# KiCad board Bread70.kicad_pcb (continued)
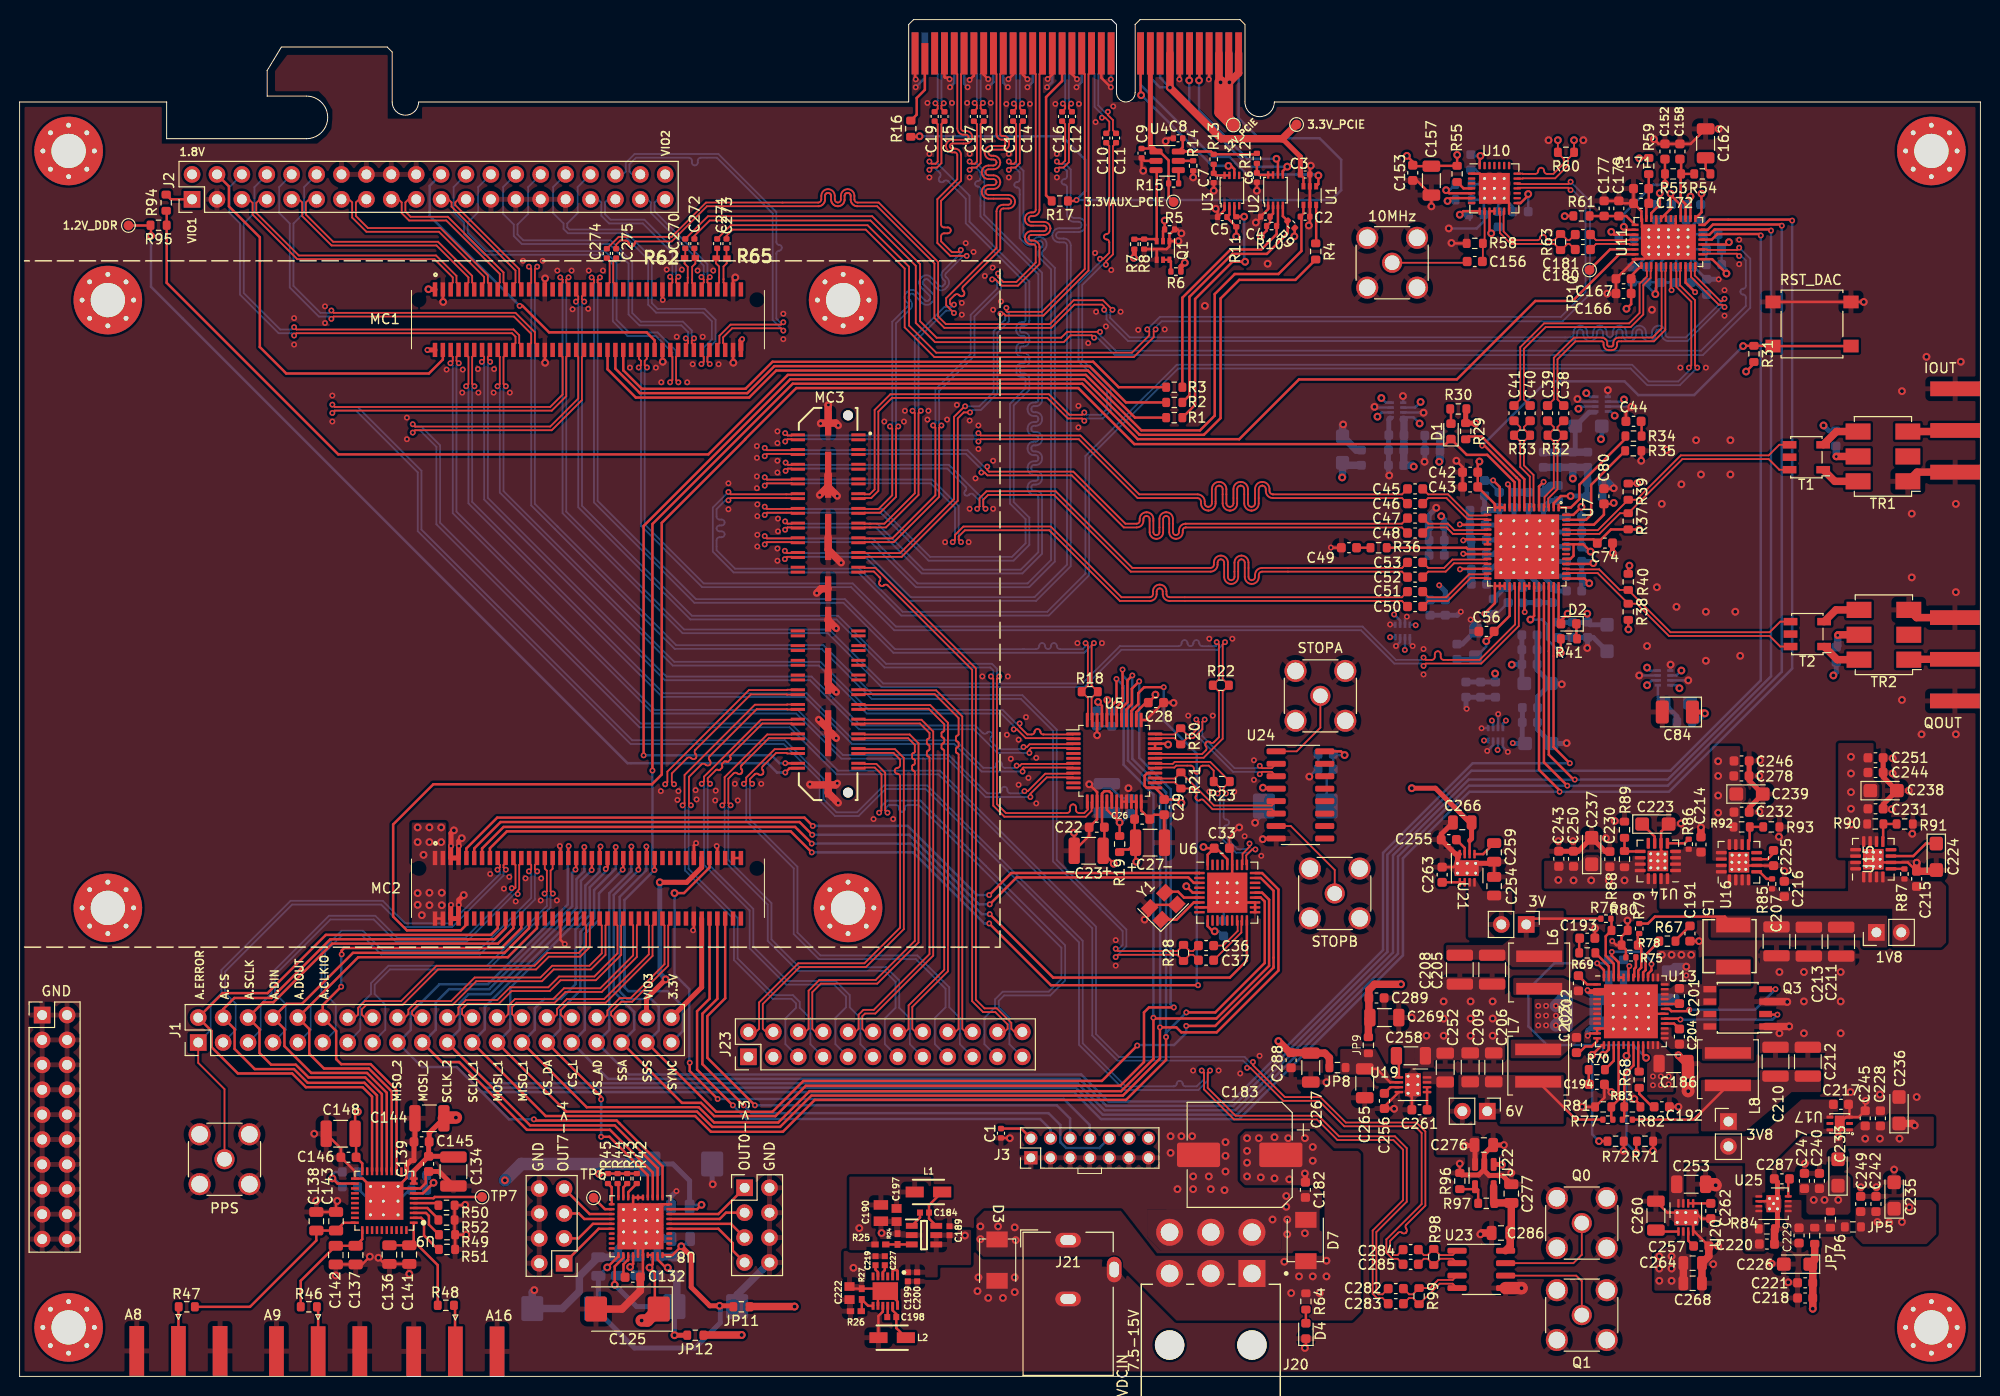
[diagram p0: board, top side]
## Routing (per net, layer and track width the routed paths; a pad name or vN(x,y) marks a point on that pad's centre or on a via; arc(x,y) is an arc through that point) (continued)
/Clocks/CLKCHIP_P: length 11.2
  Top w0.182: U10.12 150.99,118.8 150.99,116.63 152.1,115.52 156.54,115.52 R63.2 157.25,114.89 157.89,115.52 158.08,115.52 158.65,114.95 C180.1
/Clocks/CP: length 10.6
  Top w0.254: C152.2 R53.1 v2(167.83,121.66) ; 164.78,116.96 163.93,116.96 v2(163.63,117.26)
  Bottom w0.254: v2(167.83,121.66) 167.73,121.56 166.63,121.56 163.63,118.56 v2(163.63,117.26)
/Clocks/FPGA10_N: length 118.5
  Top w0.182: v1(158.2,121.86) 157.96,121.62 152.81,121.62 U10.19 ; C273.1 72.1,116.34 72.73,116.97 86.31,116.97 90.28,113.01 90.28,107.01 93.31,103.97 113.64,103.97 115.68,106.01 115.68,106.6 v1(115.88,106.8)
  Bottom w0.182: v1(158.2,121.86) 160.18,119.89 160.18,110.41 157.39,107.62 116.49,107.62 115.88,107.01 v1(115.88,106.8)
/Clocks/FPGA10_P: length 118
  Top w0.182: U10.18 152.81,121.25 157.96,121.25 v1(158.2,121.01) ; C271.1 72.55,117.42 86.49,117.42 90.72,113.19 90.72,107.19 93.49,104.42 113.46,104.42 115.22,106.19 115.22,106.6 v1(115.03,106.8)
  Bottom w0.182: v1(115.03,106.8) 116.3,108.08 157.21,108.08 159.72,110.59 159.72,119.7 158.41,121.01 v1(158.2,121.01)
/Clocks/FPGA_DEVCLK_N: length 147.2
  Top w0.184: J7.20 78.8,89.54 78.74,89.6 78.18,89.6 ; v1(170.28,102.9) 170.51,103.14 170.51,109.62 168.99,111.14 168.99,112.72 168.93,112.79 U11.8 ; v1(72.3,89.36) 72.54,89.6 78.23,89.6
  Bottom w0.184: v1(72.3,89.36) 71.98,89.36 71.09,88.47 71.09,87.7 arc(71.18,87.49) 71.39,87.4 71.61,87.4 arc(71.83,87.31) 71.91,87.1 arc(71.83,86.89) 71.61,86.8 71.39,86.8 arc(71.18,86.71) 71.09,86.5 arc(71.18,86.29) 71.39,86.2 71.61,86.2 arc(71.83,86.11) 71.91,85.9 arc(71.83,85.69) 71.61,85.6 71.39,85.6 arc(71.18,85.51) 71.09,85.3 71.09,84.28 72.98,82.39 85.68,82.39 90.08,77.99 104.82,77.99 108.71,81.88 108.71,93.88 118.02,103.19 164.48,103.19 166.18,101.49 169.18,101.49 170.28,102.58 v1(170.28,102.9)
/Clocks/FPGA_DEVCLK_P: length 147.2
  Top w0.184: v1(171.12,102.9) 170.89,103.14 170.89,109.78 169.37,111.3 169.37,112.72 169.43,112.79 U11.9 ; 78.18,89.98 78.74,89.98 78.8,90.04 J7.18 ; 78.23,89.98 72.54,89.98 v1(72.3,90.21)
  Bottom w0.184: v1(171.12,102.9) 169.34,101.11 166.02,101.11 164.32,102.81 118.18,102.81 109.09,93.72 109.09,81.72 104.98,77.61 89.92,77.61 85.52,82.01 72.82,82.01 70.71,84.12 70.71,88.63 v1(72.3,90.21)
/Clocks/FPGA_FREE_N: length 130.9
  Top w0.184: C270.1 70.21,118.34 86.96,118.34 91.84,113.46 91.84,107.64 93.53,105.95 106.24,105.95 106.84,106.55 v1(110.2,106.55) ; U11.14 172.1,114.46 172.16,114.52 175.16,114.52 v1(175.4,114.29)
  Bottom w0.184: v1(175.4,114.29) 175.61,114.29 176.07,113.82 176.07,111.22 arc(175.99,111.03) 175.8,110.95 arc(175.61,110.87) 175.52,110.67 175.52,110.62 arc(175.61,110.43) 175.8,110.35 arc(175.99,110.27) 176.07,110.07 176.07,109.19 171.51,104.63 111.79,104.63 110.2,106.22 v1(110.2,106.55)
/Clocks/FPGA_FREE_P: length 130.9
  Top w0.184: C272.1 68.83,116.34 70.39,117.91 86.79,117.91 91.41,113.29 91.41,107.46 93.37,105.5 106.5,105.5 107.2,106.2 109.35,106.2 v1(109.6,105.95) ; v1(175.4,115.14) 175.16,114.9 172.16,114.9 172.1,114.96 U11.15
  Bottom w0.184: v1(175.4,115.14) 176.53,114.01 176.53,109.01 171.69,104.17 111.71,104.17 109.93,105.95 v1(109.6,105.95)
/Clocks/FPGA_SYSREF_N: length 146
  Top w0.184: v1(110.62,108.8) 110.62,109.12 110.42,109.33 107.59,109.33 105.23,106.96 94.32,106.96 93.31,107.97 93.31,113.52 87.47,119.36 85.46,119.36 85.38,119.36 85.23,119.4 85.09,119.46 84.97,119.56 84.87,119.68 84.81,119.82 84.77,119.97 84.77,120.05 84.77,120.42 84.77,120.47 84.74,120.56 84.68,120.64 84.6,120.7 84.51,120.73 84.46,120.73 84.41,120.73 84.32,120.7 84.24,120.64 84.18,120.56 84.15,120.47 84.15,120.42 84.15,120.05 84.15,119.97 84.11,119.82 84.05,119.68 83.95,119.56 83.83,119.46 83.69,119.4 83.54,119.36 83.46,119.36 83.38,119.36 83.23,119.4 83.09,119.46 82.97,119.56 82.87,119.68 82.81,119.82 82.77,119.97 82.77,120.05 82.77,120.42 82.77,120.47 82.74,120.56 82.68,120.64 82.6,120.7 82.51,120.73 82.46,120.73 82.41,120.73 82.32,120.7 82.24,120.64 82.18,120.56 82.15,120.47 82.15,120.42 82.15,120.05 82.15,119.97 82.11,119.82 82.05,119.68 81.95,119.56 81.83,119.46 81.69,119.4 81.54,119.36 81.46,119.36 70.11,119.36 66.52,115.77 62.81,115.77 62.76,115.7 62.73,115.61 62.72,115.51 62.69,115.42 62.64,115.35 62.56,115.29 62.47,115.26 62.42,115.26 62.38,115.26 62.29,115.29 62.21,115.35 62.16,115.42 62.13,115.51 62.12,115.61 62.09,115.7 62.04,115.77 61.96,115.83 61.87,115.86 61.83,115.86 61.26,115.86 60.84,115.45 C275.1 ; v1(173.9,109.08) 173.66,109.31 173.32,109.31 170.49,112.14 170.49,112.72 170.43,112.79 U11.11
  Bottom w0.184: v1(110.62,108.8) 110.86,108.56 110.86,107.82 113.07,105.61 158.19,105.61 arc(158.68,105.81) 158.88,106.3 158.88,106.49 arc(158.97,106.71) 159.19,106.8 arc(159.41,106.71) 159.5,106.49 159.5,106.3 arc(159.7,105.81) 160.19,105.61 arc(160.68,105.81) 160.88,106.3 160.88,106.49 arc(160.97,106.71) 161.19,106.8 arc(161.41,106.71) 161.5,106.49 161.5,106.3 arc(161.7,105.81) 162.19,105.61 arc(162.68,105.81) 162.88,106.3 162.88,106.49 arc(162.97,106.71) 163.19,106.8 arc(163.41,106.71) 163.5,106.49 163.5,106.3 arc(163.7,105.81) 164.19,105.61 arc(164.68,105.81) 164.88,106.3 164.88,106.49 arc(164.97,106.71) 165.19,106.8 arc(165.41,106.71) 165.5,106.49 165.5,106.3 arc(165.7,105.81) 166.19,105.61 arc(166.68,105.81) 166.88,106.3 166.88,106.49 arc(166.97,106.71) 167.19,106.8 arc(167.41,106.71) 167.5,106.49 167.5,106.3 arc(167.7,105.81) 168.19,105.61 170.12,105.61 173.58,109.08 v1(173.9,109.08)
/Clocks/FPGA_SYSREF_P: length 146
  Top w0.184: U11.12 170.93,112.79 170.87,112.72 170.87,112.3 173.48,109.69 173.66,109.69 v1(173.9,109.92) ; C274.1 61.1,116.24 66.51,116.24 70.01,119.74 81.46,119.74 arc(81.68,119.83) 81.77,120.05 81.77,120.42 arc(81.97,120.9) 82.46,121.11 arc(82.95,120.9) 83.15,120.42 83.15,120.05 arc(83.24,119.83) 83.46,119.74 arc(83.68,119.83) 83.77,120.05 83.77,120.42 arc(83.97,120.9) 84.46,121.11 arc(84.95,120.9) 85.15,120.42 85.15,120.05 arc(85.24,119.83) 85.46,119.74 87.63,119.74 93.69,113.68 93.69,108.13 94.48,107.34 105.07,107.34 107.51,109.78 110.5,109.78 v1(111.47,108.8)
  Bottom w0.184: v1(173.9,109.92) 169.96,105.99 168.19,105.99 arc(167.97,106.08) 167.88,106.3 167.88,106.49 arc(167.68,106.98) 167.19,107.18 arc(166.7,106.98) 166.5,106.49 166.5,106.3 arc(166.41,106.08) 166.19,105.99 arc(165.97,106.08) 165.88,106.3 165.88,106.49 arc(165.68,106.98) 165.19,107.18 arc(164.7,106.98) 164.5,106.49 164.5,106.3 arc(164.41,106.08) 164.19,105.99 arc(163.97,106.08) 163.88,106.3 163.88,106.49 arc(163.68,106.98) 163.19,107.18 arc(162.7,106.98) 162.5,106.49 162.5,106.3 arc(162.41,106.08) 162.19,105.99 arc(161.97,106.08) 161.88,106.3 161.88,106.49 arc(161.68,106.98) 161.19,107.18 arc(160.7,106.98) 160.5,106.49 160.5,106.3 arc(160.41,106.08) 160.19,105.99 arc(159.97,106.08) 159.88,106.3 159.88,106.49 arc(159.68,106.98) 159.19,107.18 arc(158.7,106.98) 158.5,106.49 158.5,106.3 arc(158.41,106.08) 158.19,105.99 113.23,105.99 111.24,107.98 111.24,108.56 v1(111.47,108.8)
/Clocks/REF+: length 4.8
  Top w0.182: 164.78,115.46 164.25,115.46 164.19,115.52 160.8,115.52 160.23,114.95
/Clocks/REF-: length 4.8
  Top w0.182: U11.36 164.25,115.96 164.19,115.9 160.8,115.9 C181.2
/Clocks/TUNE: length 7.7
  Top w0.254: R53.2 169.43,122.61 169.43,120.06 169.93,119.56 U11.23 ; R53.2 169.48,124.05 C158.2 ; R53.2 R54.2
/Clocks/VOUT+: length 44.2
  Top w0.25: U11.13 172.64,113.96 v2(174.1,112.5) ; U11.16 174.11,115.46 v2(174.35,115.7)
  Top w0.254: v2(166.85,110.4) 166.93,110.48 U11.4 ; v1(168.5,110.8) 168.43,110.87 U11.7 ; U11.10 169.93,111.57 v1(170.9,110.6) ; U11.21 171.55,118.73 v2(171.55,120.65) ; U11.35 162.64,116.46 v2(162.35,116.75) ; U11.1 164.38,112.26 C166.1 164.38,109.38 v2(163.9,108.9)
  Bottom w0.25: v2(174.1,112.5) 174.1,112.91 C151.2 C150.1 ; C150.1 174.34,115.7 v2(174.35,115.7) ; C150.1 173.25,115.31 C169.1
  Bottom w0.254: C178.2 171.55,119.61 v2(171.55,120.65) ; C159.1 C160.2 168.5,111.11 v1(168.5,110.8) ; C159.1 166.85,110.96 v2(166.85,110.4) 165.64,111.61 C163.1 ; C159.1 167.45,111.61 C164.2 ; 172.08,110.36 170.85,111.59 C154.1 170.48,111.02 v1(170.9,110.6) ; C174.2 162.47,116.75 v2(162.35,116.75)
  vias: v2(189.5,15.75) v2(190.7,15.7) v2(192,15.75) v2(192.75,17.25)
/CS_AD: length 163.2
  Top w0.254: U7.41 156.46,80.61 156.46,64.2 v1(158.12,62.54) ; J4.51 62.37,54.02 v1(62.4,54.05)
  Bottom w0.254: 58.91,34.11 60.15,35.35 60.15,49.29 62.4,51.53 v1(62.4,54.05) ; v1(158.12,62.54) 148.21,62.54 139.07,53.4 139.07,43.49 123.62,28.04 111.04,28.04 108.29,30.79 62.13,30.79 J1.33
/CS_DA: length 44.5
  Top w0.254: v1(59.31,24.44) 60.16,24.44 64.08,20.53 U8.14 ; v1(60.8,54) 60.77,53.97 J4.47 ; J1.29 59.31,28.53 v1(59.31,28.25)
  Bottom w0.254: 53.82,34.07 55.15,35.4 55.15,37.35 57.2,39.4 57.2,45.34 58.6,46.73 58.6,49.6 60.8,51.8 v1(60.8,54) ; v1(59.31,24.44) v1(59.31,28.25)
/CS_L: length 220.4
  Top w0.254: U11.17 172.6,115.96 173.17,116.53 177.45,116.53 v1(177.6,116.38) ; v1(61.51,51.69) 61.57,51.75 J4.49
  Bottom w0.254: J1.31 60.03,30.35 108.1,30.35 110.86,27.59 123.8,27.59 139.52,43.31 139.52,53.21 148.08,61.78 168.38,61.78 177.6,71 v1(177.6,116.38) ; 56.36,34.07 57.65,35.36 57.65,45.15 59.1,46.6 59.1,49.28 v1(61.51,51.69)
/G_3V8: length 8.6
  Top w0.762: U22.5 150.35,17.72 R97.1 150.47,17.7 C277.1 152.15,14.74 C286.1 ; U23.8 152.04,13.3 152.04,14.63
/MC3/B67_L13GC_N: length 44.7
  Top w0.184: 79.4,35.15 80.17,35.15 80.48,35.46 80.48,39.34 81.57,40.44 87.32,40.44 91.31,44.43 91.31,61.65 arc(91.27,61.75) 91.17,61.79 arc(91.08,61.83) 91.04,61.92 91.04,62.25 arc(91.08,62.35) 91.17,62.39 arc(91.27,62.43) 91.31,62.53 91.31,62.85 arc(91.27,62.95) 91.17,62.99 arc(91.08,63.03) 91.04,63.12 91.04,63.45 arc(91.08,63.55) 91.17,63.59 arc(91.27,63.63) 91.31,63.72 91.31,64.42 90.63,65.1 86.2,65.1 86.13,65.04 J7.71
/MC3/B67_L13GC_P: length 44.7
  Top w0.184: 81.94,35.15 81.16,35.15 80.86,35.46 80.86,39.19 81.73,40.06 87.48,40.06 91.69,44.27 91.69,64.58 90.79,65.48 86.2,65.48 86.13,65.54 J7.69
/MC3/B67_L15N: length 44.8
  Top w0.184: J7.59 86.13,69.54 86.2,69.6 93.33,69.6 95.78,67.16 95.78,65.5 arc(95.74,65.4) 95.64,65.36 arc(95.54,65.32) 95.5,65.23 95.5,64.9 arc(95.54,64.8) 95.64,64.76 arc(95.74,64.72) 95.78,64.63 95.78,64.3 arc(95.74,64.2) 95.64,64.16 arc(95.54,64.12) 95.5,64.03 95.5,63.7 arc(95.54,63.6) 95.64,63.56 arc(95.74,63.52) 95.78,63.43 95.78,35.46 95.47,35.15 94.7,35.15
/MC3/B67_L15P: length 44.8
  Top w0.184: 97.24,35.15 96.46,35.15 96.16,35.46 96.16,67.31 93.49,69.98 86.2,69.98 86.13,70.04 J7.57
/MC3/B67_L16N: length 50.6
  Top w0.184: v1(70.42,60.45) 70.19,60.69 70.19,61.02 71.03,61.87 arc(71.13,61.91) 71.23,61.87 arc(71.33,61.83) 71.42,61.87 71.65,62.1 arc(71.69,62.19) 71.65,62.29 arc(71.61,62.39) 71.65,62.49 71.88,62.71 arc(71.98,62.76) 72.08,62.71 arc(72.18,62.67) 72.27,62.71 72.5,62.94 arc(72.54,63.04) 72.5,63.14 arc(72.46,63.24) 72.5,63.33 75.77,66.6 78.74,66.6 78.8,66.54 J7.68
  Bottom w0.184: J23.11 85.76,33.88 85.76,36.56 84.67,37.65 84.67,38.89 83.23,40.34 78.33,40.34 74.84,43.83 74.84,47.68 70.19,52.33 70.19,60.21 v1(70.42,60.45)
/MC3/B67_L16P: length 50.6
  Top w0.184: v1(69.58,60.45) 69.81,60.69 69.81,61.18 75.61,66.98 78.74,66.98 78.8,67.04 J7.66
  Bottom w0.184: J23.9 83.21,33.89 83.21,36.56 84.3,37.65 84.3,38.74 83.07,39.96 78.17,39.96 74.46,43.67 74.46,47.52 69.81,52.17 69.81,60.21 v1(69.58,60.45)
/MC3/B67_L17N: length 50.9
  Top w0.182: v1(68.47,58.25) 68.28,58.45 68.28,61.16 69.53,62.42 arc(69.75,62.5) 69.96,62.42 69.98,62.39 arc(70.19,62.31) 70.4,62.39 arc(70.49,62.61) 70.4,62.82 70.38,62.84 arc(70.29,63.05) 70.38,63.26 75.18,68.06 78.27,68.06 78.29,68.04 J7.64
  Top w0.184: 78.74,68.1 78.8,68.04 J7.64
  Bottom w0.184: v1(68.47,58.25) 68.24,58.01 68.24,51.78 73.24,46.78 73.24,42.63 76.98,38.89 78.88,38.89 79.57,38.19 79.57,37.6 80.66,36.51 80.66,33.88 81.94,32.6
/MC3/B67_L17P: length 50.3
  Top w0.182: v1(67.62,58.25) 67.82,58.45 67.82,61.34 75,68.51 78.27,68.51 78.29,68.54 J7.62
  Bottom w0.184: 79.4,32.6 78.11,33.89 78.11,36.51 79.2,37.6 79.2,38.04 78.72,38.51 76.82,38.51 72.86,42.47 72.86,46.62 67.86,51.62 67.86,58.01 v1(67.62,58.25)
/MC3/B67_L18N: length 43.3
  Top w0.184: J7.67 86.13,66.54 86.2,66.6 91.83,66.6 92.81,65.62 92.81,65.17 arc(92.77,65.08) 92.67,65.04 arc(92.58,65) 92.54,64.9 92.54,64.58 arc(92.58,64.48) 92.67,64.44 arc(92.77,64.4) 92.81,64.3 92.81,63.97 arc(92.77,63.88) 92.67,63.84 arc(92.58,63.8) 92.54,63.7 92.54,63.38 arc(92.58,63.28) 92.67,63.24 arc(92.77,63.2) 92.81,63.1 92.81,43.08 87.12,37.39 86.07,37.39 85.58,36.89 85.58,35.46 85.27,35.15 84.5,35.15
/MC3/B67_L18P: length 43.3
  Top w0.184: J7.65 86.13,67.04 86.2,66.98 91.99,66.98 93.19,65.78 93.19,42.92 87.28,37.01 86.23,37.01 85.96,36.74 85.96,35.46 86.26,35.15 87.04,35.15
/MC3/B67_L19N: length 50.4
  Top w0.184: v1(74.72,60.45) 74.49,60.69 74.49,60.92 74.98,61.41 arc(75.18,61.49) 75.37,61.41 arc(75.57,61.33) 75.76,61.41 75.8,61.45 arc(75.88,61.64) 75.8,61.84 arc(75.72,62.03) 75.8,62.23 77.17,63.6 78.23,63.6 78.29,63.54 J7.76
  Bottom w0.184: 97.19,32.6 95.91,33.88 95.91,36.56 94.82,37.65 94.82,39.69 91.58,42.94 81.68,42.94 79.34,45.28 79.34,51.98 74.49,56.83 74.49,60.21 v1(74.72,60.45)
/MC3/B67_L19P: length 50.4
  Top w0.184: J7.74 78.29,64.04 78.23,63.98 77.01,63.98 74.11,61.08 74.11,60.69 v1(73.88,60.45)
  Bottom w0.184: 94.65,32.6 93.36,33.89 93.36,36.56 94.45,37.65 94.45,39.54 91.42,42.56 81.52,42.56 78.96,45.12 78.96,51.82 74.11,56.67 74.11,60.21 v1(73.88,60.45)
/MC3/B67_L20N: length 56.5
  Top w0.184: 99.7,35.15 100.47,35.15 100.78,35.46 100.78,35.91 99.52,37.16 98.27,37.16 97.16,38.27 97.16,72.07 88.54,80.69 arc(88.35,80.77) 88.15,80.69 arc(87.96,80.61) 87.77,80.69 87.73,80.73 arc(87.65,80.92) 87.73,81.12 arc(87.81,81.31) 87.73,81.5 87.13,82.1 86.2,82.1 86.13,82.04 J7.39
/MC3/B67_L20P: length 56.5
  Top w0.184: 102.24,35.15 101.46,35.15 101.16,35.46 101.16,36.06 99.68,37.54 98.43,37.54 97.54,38.43 97.54,72.23 87.29,82.48 86.2,82.48 86.13,82.54 J7.37
/MC3/B67_L21N: length 43.8
  Top w0.184: 74.35,35.15 75.12,35.15 75.43,35.46 75.43,38.14 79.42,42.14 86.17,42.14 89.81,45.78 89.81,61.2 arc(89.73,61.4) 89.54,61.48 arc(89.34,61.56) 89.26,61.75 89.26,61.8 arc(89.34,62) 89.54,62.08 arc(89.73,62.16) 89.81,62.35 89.81,62.92 89.13,63.6 86.2,63.6 86.13,63.54 J7.75
/MC3/B67_L21P: length 43.8
  Top w0.184: 76.89,35.15 76.11,35.15 75.81,35.46 75.81,37.99 79.58,41.76 86.33,41.76 90.19,45.62 90.19,63.08 89.29,63.98 86.2,63.98 86.13,64.04 J7.73
/MC3/B67_L22N: length 43.8
  Top w0.184: J7.63 86.13,68.04 86.2,68.1 92.73,68.1 94.31,66.52 94.31,65.9 arc(94.27,65.8) 94.17,65.76 arc(94.08,65.72) 94.04,65.63 94.04,65.3 arc(94.08,65.2) 94.17,65.16 arc(94.27,65.12) 94.31,65.03 94.31,64.7 arc(94.27,64.6) 94.17,64.56 arc(94.08,64.52) 94.04,64.43 94.04,64.1 arc(94.08,64) 94.17,63.96 arc(94.27,63.92) 94.31,63.83 94.31,41.48 90.68,37.84 90.68,35.46 90.37,35.15 89.6,35.15
/MC3/B67_L22P: length 43.8
  Top w0.184: 92.14,35.15 91.36,35.15 91.06,35.46 91.06,37.69 94.69,41.32 94.69,66.68 92.89,68.48 86.2,68.48 86.13,68.54 J7.61
/MC3/B67_L23N: length 50.4
  Top w0.184: J7.79 86.13,62.04 86.2,62.1 87.23,62.1 87.91,61.42 87.91,57.74 v1(87.67,57.5)
  Bottom w0.184: 98.58,52.03 106.64,43.98 106.64,40.37 105.13,38.86 100.43,38.86 99.87,38.31 99.87,37.65 100.96,36.56 100.96,33.88 102.24,32.6
  Bottom w0.2: 98.58,52.03 91.89,58.72 88.46,58.72 87.87,58.14 87.87,57.7 v1(87.67,57.5)
/MC3/B67_L23P: length 50.4
  Top w0.184: J7.77 86.13,62.54 86.2,62.48 87.39,62.48 88.29,61.58 88.29,57.74 v1(88.53,57.5)
  Bottom w0.184: 98.27,51.72 106.26,43.72 106.26,40.53 104.97,39.24 100.27,39.24 99.5,38.46 99.5,37.65 98.41,36.56 98.41,33.89 99.7,32.6
  Bottom w0.2: 98.27,51.72 91.71,58.28 90.6,58.28 arc(90.39,58.19) 90.3,57.97 90.3,57.9 arc(90.21,57.69) 90,57.6 arc(89.79,57.69) 89.7,57.9 89.7,57.97 arc(89.61,58.19) 89.4,58.28 88.64,58.28 88.33,57.96 88.33,57.7 v1(88.53,57.5)
/MC3/B67_L24N: length 51.4
  Top w0.184: J7.72 78.8,65.04 78.74,65.1 76.42,65.1 73.64,62.32 arc(73.56,62.12) 73.64,61.93 arc(73.72,61.73) 73.64,61.54 73.6,61.5 arc(73.41,61.42) 73.21,61.5 arc(73.02,61.58) 72.82,61.5 72.29,60.97 72.29,58.49 v1(72.53,58.25)
  Bottom w0.184: 92.09,32.6 90.81,33.88 90.81,36.51 89.72,37.6 89.72,40.39 88.38,41.74 79.53,41.74 76.69,44.58 76.69,48.28 72.29,52.68 72.29,58.01 v1(72.53,58.25)
/MC3/B67_L24P: length 51.4
  Top w0.184: v1(71.67,58.25) 71.91,58.49 71.91,61.13 76.26,65.48 78.74,65.48 78.8,65.54 J7.70
  Bottom w0.184: 89.55,32.6 88.26,33.89 88.26,36.51 89.35,37.6 89.35,40.24 88.22,41.36 79.37,41.36 76.31,44.42 76.31,48.12 71.91,52.52 71.91,58.01 v1(71.67,58.25)
/MC3/B67_T3U_N12: length 131.1
  Top w0.254: J7.78 78.11,62.54 v1(78.1,62.55) ; v1(63.65,63.35) 63.65,86.75 78.61,101.71 108.57,101.71 114.23,96.05 114.25,96.05 114.25,96.05 120.8,96.05 122.5,97.75 122.5,109.95 124.4,111.85 130.12,111.85 R4.2
  Bottom w0.254: v1(63.65,63.35) 76.7,63.35 77.5,62.55 v1(78.1,62.55)
/MC12/B64_L3N: length 20.1
  Top w0.184: J5.15 47.97,111.37 47.76,111.58 47.76,112.31 42.93,117.14 35.53,117.14 34.3,118.37 34.3,119.75 34.61,120.06 35.38,120.06
/MC12/B64_L3P: length 20.1
  Top w0.184: J5.13 47.17,111.37 47.38,111.58 47.38,112.15 42.77,116.76 35.37,116.76 33.92,118.21 33.92,119.75 33.61,120.06 32.84,120.06
/MC12/B64_L5N: length 26.8
  Top w0.184: 25.22,120.01 24.45,120.01 24.14,119.7 24.14,118.68 28.48,114.34 42.48,114.34 44.56,112.26 44.56,111.58 44.77,111.37 J5.7
/MC12/B64_L5P: length 26.8
  Top w0.184: J5.5 43.97,111.37 44.18,111.58 44.18,112.1 42.32,113.96 28.32,113.96 23.76,118.52 23.76,119.7 23.45,120.01 22.68,120.01
/MC12/B64_L6N: length 23.5
  Top w0.184: 30.28,120.06 29.51,120.06 29.2,119.75 29.2,118.52 31.98,115.74 42.68,115.74 46.16,112.26 46.16,111.58 46.37,111.37 J5.11
/MC12/B64_L6P: length 23.5
  Top w0.184: 27.74,120.06 28.51,120.06 28.82,119.75 28.82,118.36 31.82,115.36 42.52,115.36 45.78,112.1 45.78,111.58 45.57,111.37 J5.9
/MC12/B64_L7N: length 12.9
  Top w0.184: J5.23 51.17,111.37 50.96,111.58 50.96,112.96 44.44,119.48 44.44,119.75 44.74,120.06 45.52,120.06
/MC12/B64_L7P: length 12.9
  Top w0.184: J5.21 50.37,111.37 50.58,111.58 50.58,112.8 44.06,119.32 44.06,119.75 43.75,120.06 42.98,120.06
/MC12/B64_L9N: length 44.7
  Top w0.184: v1(28,107.03) 28.24,106.79 50.38,106.79 50.96,106.21 50.96,105.41 51.17,105.2 J5.24
  Bottom w0.184: 25.23,122.59 23.95,121.31 23.95,118.69 22.86,117.6 22.86,110.5 26.58,106.79 27.76,106.79 v1(28,107.03)
/MC12/B64_L9P: length 44.7
  Top w0.184: J5.22 50.37,105.2 50.58,105.41 50.58,106.05 50.22,106.41 28.24,106.41 v1(28,106.17)
  Bottom w0.184: 22.69,122.59 21.4,121.3 21.4,118.69 22.49,117.6 22.49,110.35 26.42,106.41 27.76,106.41 v1(28,106.17)
/MC12/B64_L10N: length 41
  Top w0.184: v1(31.8,108.72) 32.04,108.49 50.58,108.49 52.56,106.51 52.56,105.41 52.77,105.2 J5.28
  Bottom w0.184: 30.3,122.6 29.02,121.32 29.02,118.69 27.93,117.6 27.93,111.23 30.68,108.49 31.56,108.49 v1(31.8,108.72)
/MC12/B64_L10P: length 41
  Top w0.184: v1(31.8,107.88) 32.04,108.11 50.42,108.11 52.18,106.35 52.18,105.41 51.97,105.2 J5.26
  Bottom w0.184: v1(31.8,107.88) 31.56,108.11 30.52,108.11 27.56,111.08 27.56,117.6 26.47,118.69 26.47,121.31 27.76,122.6
/MC12/B64_L19N: length 16.5
  Top w0.184: 40.43,120.06 39.66,120.06 39.35,119.75 39.35,118.82 39.88,118.29 43.68,118.29 49.36,112.61 49.36,111.58 49.57,111.37 J5.19
/MC12/B64_L19P: length 16.5
  Top w0.184: 37.89,120.06 38.66,120.06 38.97,119.75 38.97,118.66 39.72,117.91 43.52,117.91 48.98,112.45 48.98,111.58 48.77,111.37 J5.17
/MC12/B64_L20N: length 183.7
  Top w0.184: J5.40 57.57,104.21 57.36,104 57.36,99.59 54.28,96.51 40.34,96.51 v1(40.1,96.28) ; v1(125.2,31.47) 125.53,31.47 128.9,28.11 132.52,28.11 135.12,25.51 142.32,25.51 143.01,24.82 143.01,17.58 139.41,13.98 139.41,12.62 140.04,12 140.55,12 C285.2
  Bottom w0.184: v1(40.1,96.28) 40.34,96.51 40.82,96.51 42.51,94.82 42.51,86.92 63.22,66.21 78.52,66.21 83.32,61.41 93.72,61.41 109.41,45.72 109.41,34.77 111.97,32.21 124.8,32.21 125.2,31.81 v1(125.2,31.47)
/MC12/B64_L20P: length 183.7
  Top w0.184: v1(40.1,97.12) 40.34,96.89 54.12,96.89 56.98,99.75 56.98,104 56.77,104.21 J5.38 ; v1(125.8,32.08) 125.8,31.74 129.05,28.49 132.68,28.49 135.28,25.89 142.48,25.89 143.39,24.98 143.39,17.42 141.43,15.47 arc(141.35,15.27) 141.43,15.08 arc(141.51,14.88) 141.43,14.69 141.4,14.65 arc(141.2,14.57) 141.01,14.65 arc(140.82,14.73) 140.62,14.65 139.79,13.82 139.79,12.78 140.19,12.37 140.55,12.37 C284.1
  Bottom w0.184: v1(125.8,32.08) 125.47,32.08 124.95,32.59 112.13,32.59 109.79,34.93 109.79,45.88 93.88,61.79 83.48,61.79 78.68,66.59 63.38,66.59 42.89,87.08 42.89,94.98 40.98,96.89 40.34,96.89 v1(40.1,97.12)
/MC12/B64_L21N: length 204.4
  Top w0.184: J5.36 55.97,104.21 55.76,104 55.76,99.99 54.28,98.51 32.14,98.51 v1(31.9,98.28) ; v1(121.43,31.2) 121.19,30.96 121.19,29.43 124.03,26.59 132.48,26.59 134.58,24.49 140.28,24.49 141.49,23.28 141.49,17.82 138.39,14.72 138.39,8.58 138.59,8.37 139.01,8.37 C282.1
  Bottom w0.184: v1(31.9,98.28) 32.14,98.51 34.32,98.51 40.61,92.22 40.61,86.22 62.32,64.51 77.92,64.51 81.61,60.82 81.61,58.72 83.17,57.16 85.58,57.16 88.33,59.91 92.42,59.91 108.06,44.27 108.06,33.82 112.67,29.21 120.23,29.21 121.19,30.17 121.19,30.96 v1(121.43,31.2)
/MC12/B64_L21P: length 204.4
  Top w0.184: v1(31.9,99.12) 32.14,98.89 54.12,98.89 55.38,100.15 55.38,104 55.17,104.21 J5.34 ; C283.2 139.01,8 138.44,8 138.01,8.42 138.01,14.88 141.11,17.98 141.11,23.12 140.12,24.11 134.42,24.11 132.32,26.21 123.87,26.21 120.81,29.27 120.81,30.96 v1(120.57,31.2)
  Bottom w0.184: v1(31.9,99.12) 32.14,98.89 34.48,98.89 40.99,92.38 40.99,86.38 62.48,64.89 78.08,64.89 81.99,60.98 81.99,58.88 83.33,57.54 85.42,57.54 88.17,60.29 92.58,60.29 108.44,44.43 108.44,33.98 112.83,29.59 117.75,29.59 arc(117.95,29.67) 118.03,29.86 arc(118.11,30.06) 118.3,30.14 118.35,30.14 arc(118.55,30.06) 118.63,29.86 arc(118.71,29.67) 118.9,29.59 120.07,29.59 120.81,30.33 120.81,30.96 v1(120.57,31.2)
/MC12/B64_L22P: length 60.5
  Top w0.254: R3.2 112.1,100.9 109.5,103.5 76.8,103.5 74.04,100.74 63.46,100.74 61.57,102.63 J5.50
/MC12/B64_L24N: length 61.8
  Top w0.254: J5.48 60.77,102.8 63.27,100.3 74.23,100.3 76.99,103.05 109.15,103.05 112.85,99.35 R2.2
/MC12/B64_L24P: length 63.3
  Top w0.254: J5.46 59.97,102.73 62.85,99.85 74.41,99.85 77.17,102.6 108.96,102.6 113.77,97.8 R1.2
/MC12/B64_T3U_N12: length 33.9
  Top w0.254: J5.58 64.77,105.68 63.95,106.5 54,106.5 51.3,109.2 v1(51,109.2)
  Bottom w0.254: v1(51,109.2) 41.82,118.38 41.82,121.44 J2.22
/MC12/B84_HDGC_L5N: length 40.6
  Top w0.184: v1(77.9,106.67) 77.66,106.91 72.68,106.91 71.76,105.99 71.76,105.41 71.97,105.2 J5.76
  Bottom w0.184: v1(77.9,106.67) 76.81,107.76 76.81,118.62 71.12,124.31 69.47,124.31 arc(69.26,124.22) 69.17,124.01 69.17,123.82 arc(69.09,123.61) 68.88,123.52 arc(68.66,123.61) 68.58,123.82 68.58,124.01 arc(68.49,124.22) 68.28,124.31 62.88,124.31 62.21,123.64 62.21,122.91 62.51,122.6 63.29,122.6
/MC12/B84_HDGC_L5P: length 41.3
  Top w0.184: v1(77.9,107.53) 77.66,107.29 72.52,107.29 71.38,106.15 71.38,105.41 71.17,105.2 J5.74
  Bottom w0.184: v1(77.9,107.53) 77.58,107.53 77.19,107.92 77.19,114.55 arc(77.27,114.75) 77.46,114.83 arc(77.66,114.91) 77.74,115.1 77.74,115.15 arc(77.66,115.35) 77.46,115.43 arc(77.27,115.51) 77.19,115.7 77.19,118.78 71.28,124.69 62.72,124.69 61.83,123.79 61.83,122.91 61.52,122.6 60.75,122.6
/MC12/B84_HDGC_L7N: length 14.2
  Top w0.184: J4.62 66.37,46.21 66.16,46 66.16,41.89 62.48,38.21 61.38,38.21 60.33,37.16 60.33,36.85 60.64,36.55 61.41,36.55
/MC12/B84_HDGC_L7P: length 14.2
  Top w0.184: 58.87,36.55 59.65,36.55 59.95,36.85 59.95,37.32 61.22,38.59 62.32,38.59 65.78,42.05 65.78,46 65.57,46.21 J4.60
/MC12/B84_L1N: length 43.3
  Top w0.184: v1(67.19,101.4) 66.96,101.64 66.96,104 67.17,104.21 J5.64
  Bottom w0.184: v1(67.19,101.4) 66.96,101.64 66.96,104.61 65.08,106.49 62.18,106.49 60.89,107.78 60.89,113.58 59.68,114.79 47.58,114.79 45.71,116.66 45.71,117.7 46.77,118.76 46.77,121.31 48.06,122.6
/MC12/B84_L1P: length 43.3
  Top w0.184: J5.62 66.37,104.21 66.58,104 66.58,101.64 v1(66.34,101.4)
  Bottom w0.184: 45.55,122.6 44.27,121.32 44.27,118.76 44.27,118.76 45.33,117.7 45.33,116.5 47.42,114.41 59.52,114.41 60.51,113.42 60.51,107.62 62.02,106.11 64.92,106.11 66.58,104.45 66.58,101.64 v1(66.34,101.4)
/MC12/B84_L2N: length 12.6
  Top w0.184: v1(70.39,112.14) 70.16,111.9 70.16,111.58 70.37,111.37 J5.71
  Bottom w0.184: v1(70.39,112.14) 70.16,112.37 70.16,113.46 64.77,118.85 64.77,119.75 65.08,120.06 65.85,120.06
/MC12/B84_L2P: length 12.6
  Top w0.184: v1(69.54,112.14) 69.78,111.9 69.78,111.58 69.57,111.37 J5.69
  Bottom w0.184: v1(69.54,112.14) 69.78,112.37 69.78,113.3 64.39,118.69 64.39,119.75 64.08,120.06 63.31,120.06
/MC12/B84_L3N: length 34.7
  Top w0.184: J5.72 70.37,104.21 70.16,104 70.16,103.5 v1(70.39,103.27)
  Bottom w0.184: 58.21,122.6 56.92,121.31 56.92,118.66 55.86,117.6 55.86,117.21 56.08,116.99 61.58,116.99 64.49,114.08 64.49,109.48 65.08,108.89 69.88,108.89 70.99,107.78 70.99,105.62 70.16,104.79 70.16,103.5 v1(70.39,103.27)
